# Altium PCB Board.PcbDoc (part 9 of 15) (continued)
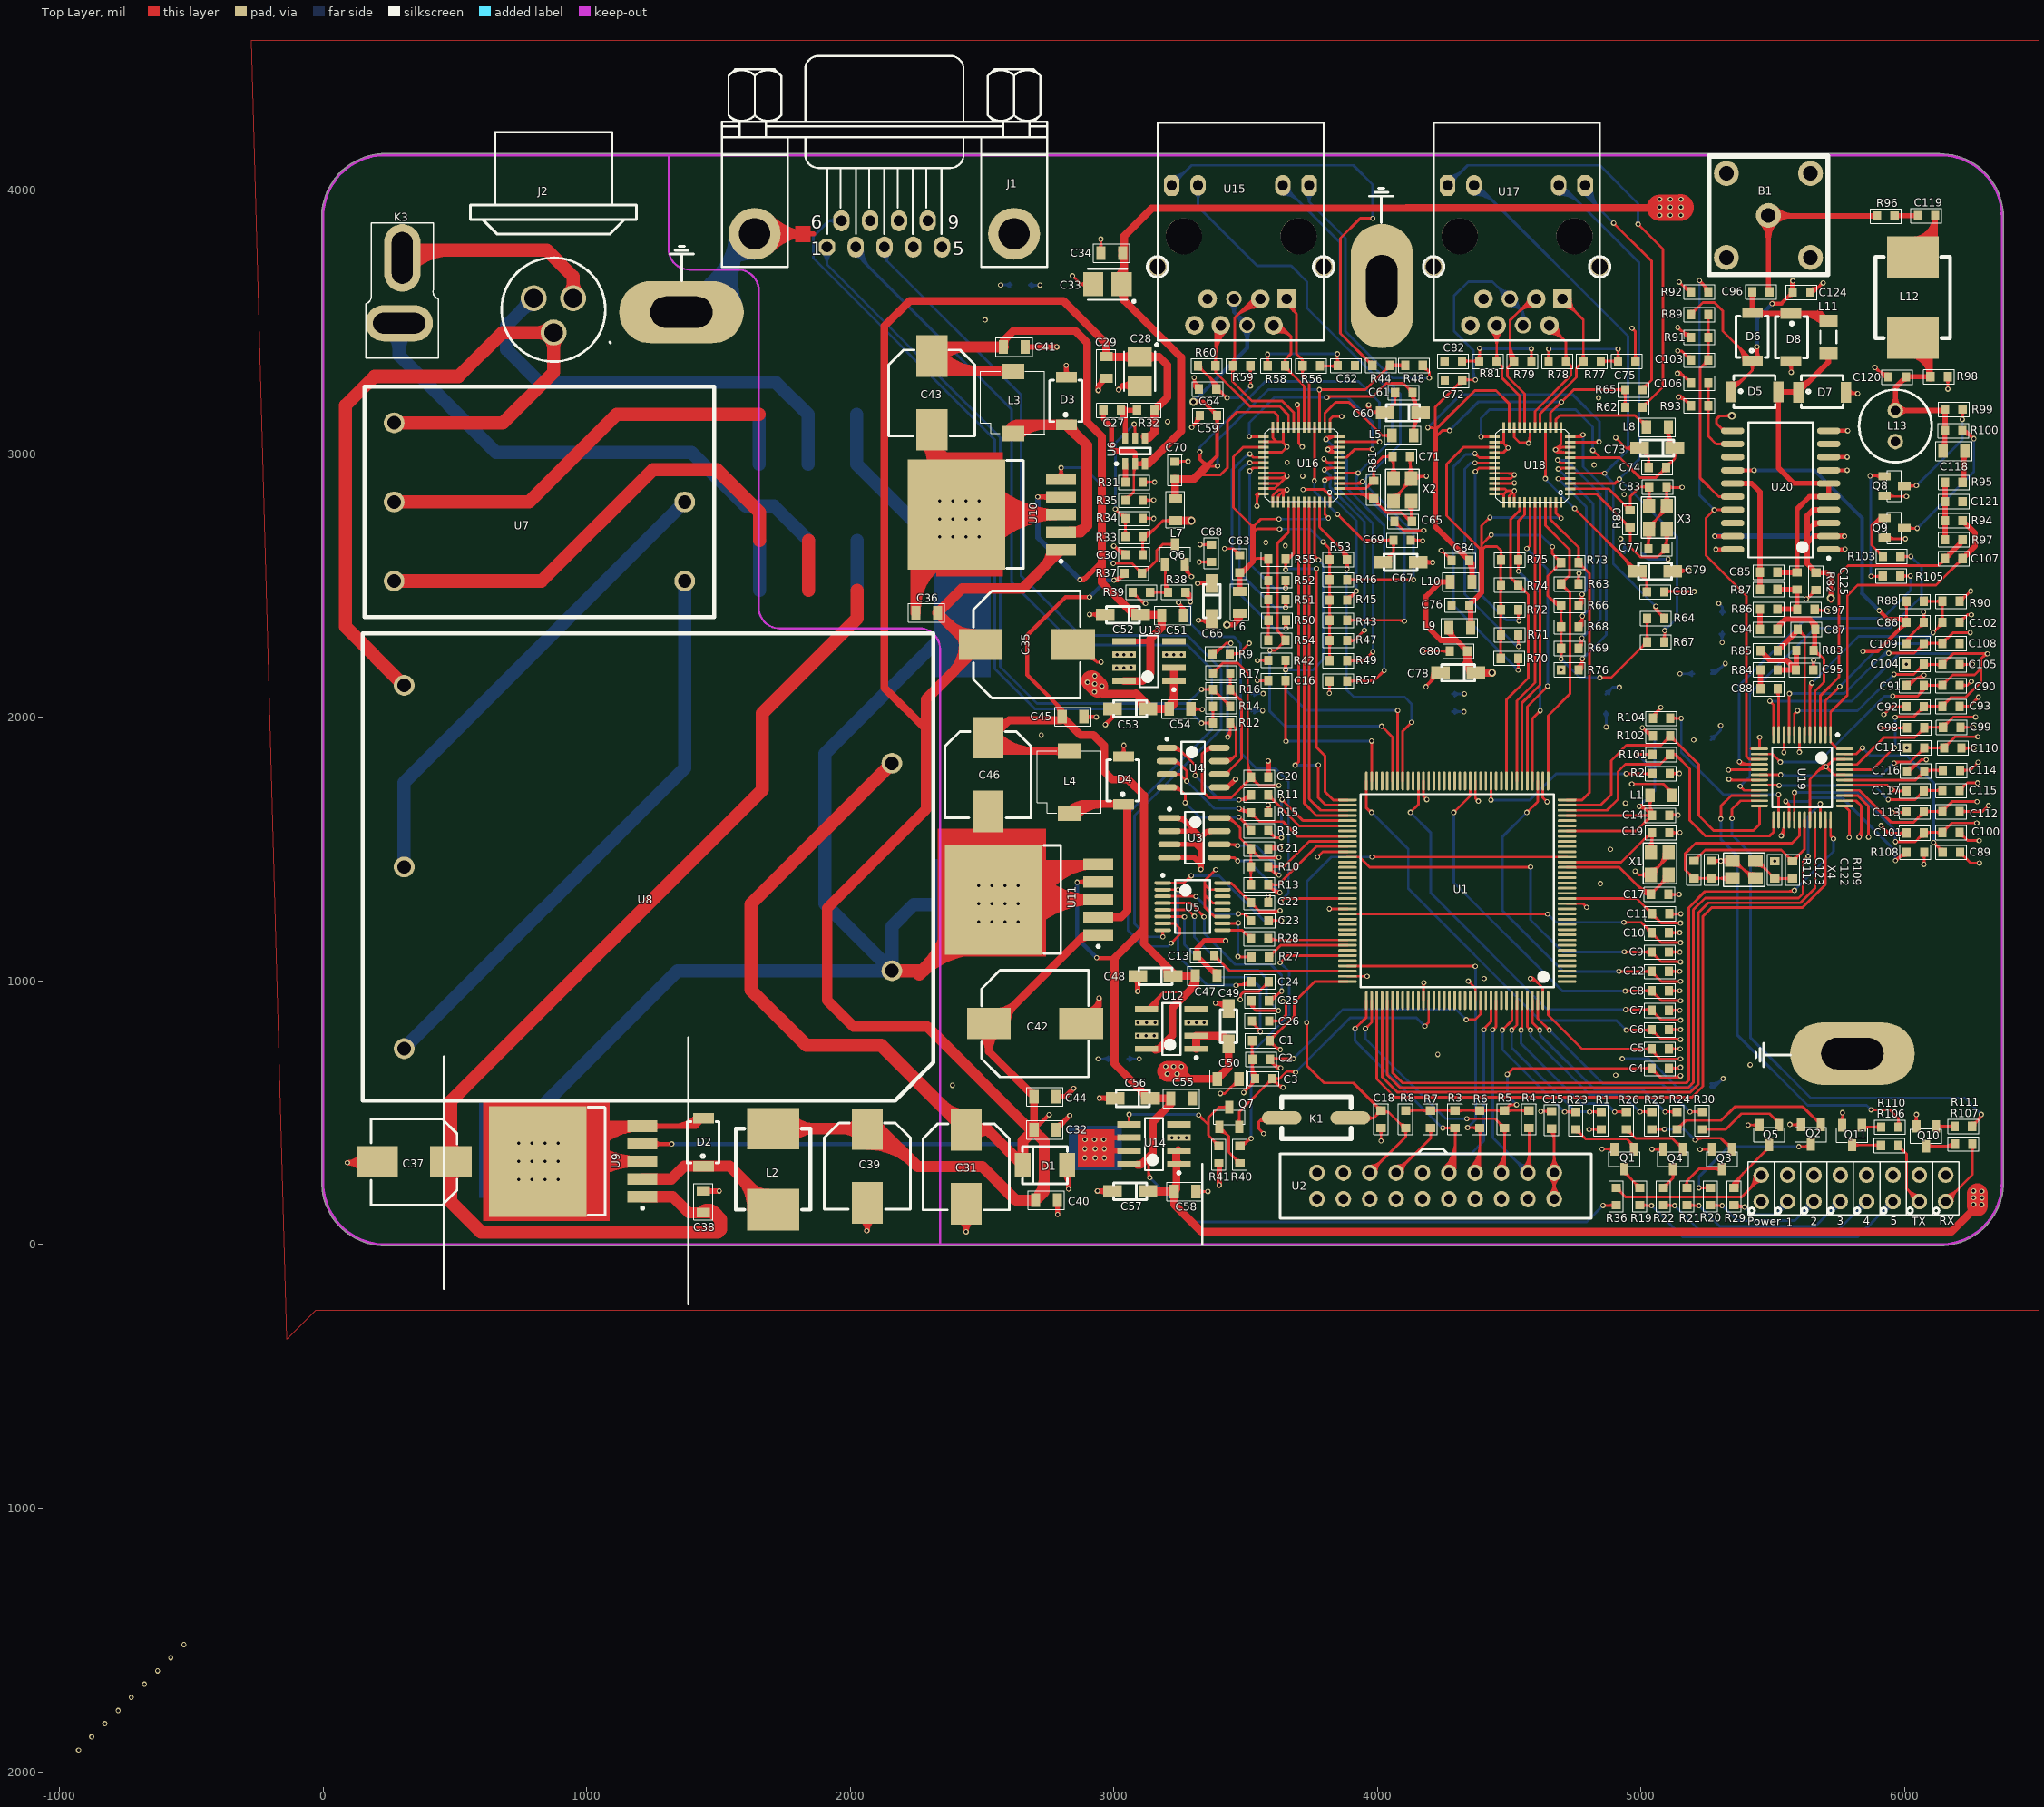
[diagram p0: Top Layer view]
## Nets (pads, with @x,y where several pads share a name; then routed paths per layer and width w, separated by ;. In a path a pad name is that pad's centre, name@x,y a point inside that pad or via, vN(x,y) a via of type N, cw(c..) or ccw(c..) an arc to the next point about the centre after c; other vN are vias at no path point) (continued)
NetR11_2: R11.2 U4.1 | length 1324.7
  Top Layer w10: U4.1@3201.19,1884.45 3242.6,1884.45 ; v1(3308.6,1779.45) 3308.6,1818.45 3242.6,1884.45 ; v1@3477.1,1691.78 ccw(c3483.13,1702.23) 3486.26,1690.57 ccw(c3489.38,1678.91) v1@3478.93,1684.95 ; R11.2@3518.25,1693.32 ccw(c3515.66,1672.88) 3501.1,1687.45 ; R11.2@3519.6,1705.95 3501.1,1687.45 ; U4.1@3228.75,1877.64 cw(c3228.75,1827.76) 3264.02,1863.03 ; U4.1@3228.75,1877.64 cw(c3228.75,1827.76) 3264.02,1863.03 ; U4.1@3228.75,1877.64 cw(c3228.75,1827.76) 3264.02,1863.03 ; U4.1@3228.75,1887.64 cw(c3228.75,1861.9) 3246.95,1880.1 ; U4.1@3228.75,1887.64 cw(c3228.75,1861.9) 3246.95,1880.1 ; U4.1@3228.75,1887.64 cw(c3228.75,1861.9) 3246.95,1880.1 ; U4.1@3234.14,1880.29 cw(c3242.6,1873.77) 3242.6,1884.45 ; U4.1@3234.14,1880.29 cw(c3242.6,1873.77) 3242.6,1884.45 ; U4.1@3234.14,1880.29 cw(c3242.6,1873.77) 3242.6,1884.45 ; U4.1@3234.14,1888.61 ccw(c3242.6,1895.12) 3242.6,1884.45 ; U4.1@3234.14,1888.61 ccw(c3242.6,1895.12) 3242.6,1884.45 ; U4.1@3234.14,1888.61 ccw(c3242.6,1895.12) 3242.6,1884.45 ; v1@3305.06,1782.98 ccw(c3296.53,1791.52) 3308.6,1791.52 ; v1@3305.06,1782.98 ccw(c3296.53,1791.52) 3308.6,1791.52 ; v1@3305.06,1782.98 ccw(c3296.53,1791.52) 3308.6,1791.52 ; 3308.6,1791.52 ccw(c3320.67,1791.52) v1@3312.13,1782.98 ; 3308.6,1791.52 ccw(c3320.67,1791.52) v1@3312.13,1782.98 ; 3308.6,1791.52 ccw(c3320.67,1791.52) v1@3312.13,1782.98 ; v1(3474.6,1687.45) ccw(c3474.6,1727.45) R11.2@3510.07,1708.95 ; v1(3474.6,1687.45) ccw(c3474.6,1727.45) R11.2@3510.07,1708.95 ; v1(3474.6,1687.45) ccw(c3474.6,1727.45) R11.2@3510.07,1708.95 ; v1(3474.6,1687.45) 3501.1,1687.45 ; v1@3478.13,1683.91 cw(c3486.67,1675.38) 3486.67,1687.45 ; v1@3478.13,1683.91 cw(c3486.67,1675.38) 3486.67,1687.45 ; v1@3478.13,1683.91 cw(c3486.67,1675.38) 3486.67,1687.45 ; v1@3478.13,1690.98 ccw(c3486.67,1699.52) 3486.67,1687.45 ; v1@3478.13,1690.98 ccw(c3486.67,1699.52) 3486.67,1687.45 ; v1@3478.13,1690.98 ccw(c3486.67,1699.52) 3486.67,1687.45 ; 3491.09,1687.45 ccw(c3491.09,1718.85) R11.2@3518.94,1704.33 ; 3491.09,1687.45 ccw(c3491.09,1718.85) R11.2@3518.94,1704.33 ; 3491.09,1687.45 ccw(c3491.09,1718.85) R11.2@3518.94,1704.33 ; 3502.64,1689 ccw(c3487.65,1703.98) R11.2@3508.85,1703.98 ; 3502.64,1689 ccw(c3487.65,1703.98) R11.2@3508.85,1703.98 ; 3502.64,1689 ccw(c3487.65,1703.98) R11.2@3508.85,1703.98 ; U4.1@3226.89,1887.04 cw(c3233.34,1878.03) 3241.18,1885.86 ccw(c3233.34,1878.03) U4.1@3226.89,1887.04 ; U4.1@3232.71,1878.91 cw(c3240.3,1868.3) 3249.52,1877.52 ccw(c3240.3,1868.3) U4.1@3232.71,1878.91 ; 3500.11,1686.47 cw(c3516.74,1669.83) 3518.7,1693.27 ccw(c3516.74,1669.83) 3500.11,1686.47
  Bottom Layer w10: v1(3308.6,1779.45) 3400.6,1687.45 v1(3474.6,1687.45) ; v1@3308.6,1774.45 cw(c3308.6,1762.38) 3317.13,1770.91 ; v1@3308.6,1774.45 cw(c3308.6,1762.38) 3317.13,1770.91 ; v1@3308.6,1774.45 cw(c3308.6,1762.38) 3317.13,1770.91 ; v1@3313.6,1779.45 ccw(c3325.67,1779.45) 3317.13,1770.91 ; v1@3313.6,1779.45 ccw(c3325.67,1779.45) 3317.13,1770.91 ; v1@3313.6,1779.45 ccw(c3325.67,1779.45) 3317.13,1770.91 ; 3462.53,1687.45 cw(c3462.53,1675.38) v1@3471.06,1683.91 ; 3462.53,1687.45 ccw(c3462.53,1699.52) v1@3471.06,1690.98 ; 3462.53,1687.45 cw(c3462.53,1675.38) v1@3471.06,1683.91 ; 3462.53,1687.45 ccw(c3462.53,1699.52) v1@3471.06,1690.98 ; 3462.53,1687.45 ccw(c3462.53,1699.52) v1@3471.06,1690.98 ; 3462.53,1687.45 cw(c3462.53,1675.38) v1@3471.06,1683.91
NetR13_2: R13.2 U1.82 U3.5 | length 1412.6
  Top Layer w10: U3.5@3399.57,1468.45 3456.6,1468.45 v1(3469.6,1455.45) ; v1(3629.6,1335.45) 3615.41,1335.45 R13.2@3585.75,1365.11 3623.26,1365.11 3767.92,1509.77 U1.82@3886.26,1509.77 ; U3.5@3435.89,1463.63 cw(c3447.51,1452.01) 3447.51,1468.45 ; U3.5@3435.89,1463.63 cw(c3447.51,1452.01) 3447.51,1468.45 ; U3.5@3435.89,1463.63 cw(c3447.51,1452.01) 3447.51,1468.45 ; U3.5@3435.89,1473.26 ccw(c3447.51,1484.89) 3447.51,1468.45 ; U3.5@3435.89,1473.26 ccw(c3447.51,1484.89) 3447.51,1468.45 ; U3.5@3435.89,1473.26 ccw(c3447.51,1484.89) 3447.51,1468.45 ; 3461.06,1463.98 cw(c3452.53,1455.45) v1@3464.6,1455.45 ; 3461.06,1463.98 ccw(c3469.6,1472.52) v1@3469.6,1460.45 ; 3461.06,1463.98 cw(c3452.53,1455.45) v1@3464.6,1455.45 ; 3461.06,1463.98 ccw(c3469.6,1472.52) v1@3469.6,1460.45 ; 3461.06,1463.98 ccw(c3469.6,1472.52) v1@3469.6,1460.45 ; 3461.06,1463.98 cw(c3452.53,1455.45) v1@3464.6,1455.45 ; R13.2@3585.75,1352.4 cw(c3585.75,1321.7) 3607.46,1343.4 ; R13.2@3585.75,1352.4 cw(c3585.75,1321.7) 3607.46,1343.4 ; R13.2@3585.75,1352.4 cw(c3585.75,1321.7) 3607.46,1343.4 ; R13.2@3593.35,1357.51 cw(c3611.7,1339.17) 3611.7,1365.11 ; R13.2@3593.35,1357.51 cw(c3611.7,1339.17) 3611.7,1365.11 ; R13.2@3593.35,1357.51 cw(c3611.7,1339.17) 3611.7,1365.11 ; R13.2@3593.35,1372.71 ccw(c3611.7,1391.06) 3611.7,1365.11 ; R13.2@3593.35,1372.71 ccw(c3611.7,1391.06) 3611.7,1365.11 ; R13.2@3593.35,1372.71 ccw(c3611.7,1391.06) 3611.7,1365.11 ; R13.2@3596.5,1363.14 ccw(c3617.69,1363.14) 3602.7,1348.16 ; R13.2@3596.5,1363.14 ccw(c3617.69,1363.14) 3602.7,1348.16 ; R13.2@3596.5,1363.14 ccw(c3617.69,1363.14) 3602.7,1348.16 ; R13.2@3596.85,1354.02 ccw(c3629.6,1386.77) v1@3629.6,1340.45 ; R13.2@3596.85,1354.02 ccw(c3629.6,1386.77) v1@3629.6,1340.45 ; R13.2@3596.85,1354.02 ccw(c3629.6,1386.77) v1@3629.6,1340.45 ; 3613.92,1336.94 ccw(c3629.6,1352.63) v1@3629.6,1330.45 ; 3613.92,1336.94 ccw(c3629.6,1352.63) v1@3629.6,1330.45 ; 3613.92,1336.94 ccw(c3629.6,1352.63) v1@3629.6,1330.45 ; 3617.53,1335.45 cw(c3617.53,1323.38) v1@3626.06,1331.91 ; 3617.53,1335.45 ccw(c3617.53,1347.52) v1@3626.06,1338.98 ; 3617.53,1335.45 cw(c3617.53,1323.38) v1@3626.06,1331.91 ; 3617.53,1335.45 ccw(c3617.53,1347.52) v1@3626.06,1338.98 ; 3617.53,1335.45 ccw(c3617.53,1347.52) v1@3626.06,1338.98 ; 3617.53,1335.45 cw(c3617.53,1323.38) v1@3626.06,1331.91
  Bottom Layer w10: v1(3469.6,1455.45) 3509.6,1455.45 v1(3629.6,1335.45) ; v1@3473.13,1451.91 cw(c3481.67,1443.38) 3481.67,1455.45 ; v1@3473.13,1451.91 cw(c3481.67,1443.38) 3481.67,1455.45 ; v1@3473.13,1451.91 cw(c3481.67,1443.38) 3481.67,1455.45 ; v1@3473.13,1458.98 ccw(c3481.67,1467.52) 3481.67,1455.45 ; v1@3473.13,1458.98 ccw(c3481.67,1467.52) 3481.67,1455.45 ; v1@3473.13,1458.98 ccw(c3481.67,1467.52) 3481.67,1455.45 ; 3621.06,1343.98 cw(c3612.53,1335.45) v1@3624.6,1335.45 ; 3621.06,1343.98 ccw(c3629.6,1352.52) v1@3629.6,1340.45 ; 3621.06,1343.98 cw(c3612.53,1335.45) v1@3624.6,1335.45 ; 3621.06,1343.98 ccw(c3629.6,1352.52) v1@3629.6,1340.45 ; 3621.06,1343.98 ccw(c3629.6,1352.52) v1@3629.6,1340.45 ; 3621.06,1343.98 cw(c3612.53,1335.45) v1@3624.6,1335.45
NetR15_2: R15.2 U1.80 U4.2 U4.3 | length 1822.3
  Top Layer w10: U4.3@3201.19,1784.45 3250.6,1784.45 v1(3276.6,1758.45) 3276.6,1797.45 3239.6,1834.45 U4.2@3201.19,1834.45 ; v1(3474.6,1654.45) 3482.6,1646.45 ; v1@3474.83,1649.45 cw(c3475.32,1639.17) 3482.6,1646.45 ; v1@3478.93,1656.95 ccw(c3506.11,1672.64) 3497.98,1642.33 ; v1@3479.36,1655.99 ccw(c3496.81,1661.63) 3492.06,1643.91 ; v1@3479.59,1654.21 ccw(c3489.88,1653.73) 3482.6,1646.45 ; U1.80@3886.26,1549.14 3696.91,1549.14 3641.6,1604.45 3553.05,1604.45 R15.2@3519.6,1637.9 3511.05,1646.45 3482.6,1646.45 ; U4.2@3228.75,1827.64 cw(c3228.75,1785) 3258.9,1815.15 ; U4.2@3228.75,1827.64 cw(c3228.75,1785) 3258.9,1815.15 ; U4.2@3228.75,1827.64 cw(c3228.75,1785) 3258.9,1815.15 ; U4.2@3228.75,1837.64 cw(c3228.75,1819.14) 3241.83,1832.22 ; U4.2@3228.75,1837.64 cw(c3228.75,1819.14) 3241.83,1832.22 ; U4.2@3228.75,1837.64 cw(c3228.75,1819.14) 3241.83,1832.22 ; U4.3@3233.56,1779.63 cw(c3245.19,1768.01) 3245.19,1784.45 ; U4.3@3233.56,1779.63 cw(c3245.19,1768.01) 3245.19,1784.45 ; U4.3@3233.56,1779.63 cw(c3245.19,1768.01) 3245.19,1784.45 ; U4.3@3233.56,1789.26 ccw(c3245.19,1800.89) 3245.19,1784.45 ; U4.3@3233.56,1789.26 ccw(c3245.19,1800.89) 3245.19,1784.45 ; U4.3@3233.56,1789.26 ccw(c3245.19,1800.89) 3245.19,1784.45 ; 3268.06,1766.98 cw(c3259.53,1758.45) v1@3271.6,1758.45 ; 3268.06,1766.98 ccw(c3276.6,1775.52) v1@3276.6,1763.45 ; 3268.06,1766.98 cw(c3259.53,1758.45) v1@3271.6,1758.45 ; 3268.06,1766.98 ccw(c3276.6,1775.52) v1@3276.6,1763.45 ; 3268.06,1766.98 ccw(c3276.6,1775.52) v1@3276.6,1763.45 ; 3268.06,1766.98 cw(c3259.53,1758.45) v1@3271.6,1758.45 ; v1@3273.06,1761.98 ccw(c3264.53,1770.52) 3276.6,1770.52 ; v1@3273.06,1761.98 ccw(c3264.53,1770.52) 3276.6,1770.52 ; v1@3273.06,1761.98 ccw(c3264.53,1770.52) 3276.6,1770.52 ; 3276.6,1770.52 ccw(c3288.67,1770.52) v1@3280.13,1761.98 ; 3276.6,1770.52 ccw(c3288.67,1770.52) v1@3280.13,1761.98 ; 3276.6,1770.52 ccw(c3288.67,1770.52) v1@3280.13,1761.98 ; v1@3471.06,1650.91 ccw(c3481.84,1661.69) 3481.84,1646.45 ; v1@3471.06,1650.91 ccw(c3481.84,1661.69) 3481.84,1646.45 ; v1@3471.06,1650.91 ccw(c3481.84,1661.69) 3481.84,1646.45 ; v1@3478.13,1657.98 ccw(c3505.98,1685.83) R15.2@3505.98,1646.45 ; v1@3478.13,1657.98 ccw(c3505.98,1685.83) R15.2@3505.98,1646.45 ; v1@3478.13,1657.98 ccw(c3505.98,1685.83) R15.2@3505.98,1646.45 ; 3482.6,1646.45 cw(c3482.6,1609.04) R15.2@3511.34,1632.99 ; 3482.6,1646.45 cw(c3482.6,1609.04) R15.2@3511.34,1632.99 ; 3482.6,1646.45 cw(c3482.6,1609.04) R15.2@3511.34,1632.99 ; R15.2@3503.95,1646.45 cw(c3503.95,1626.83) R15.2@3519.02,1639.39 ; R15.2@3503.95,1646.45 cw(c3503.95,1626.83) R15.2@3519.02,1639.39 ; R15.2@3503.95,1646.45 cw(c3503.95,1626.83) R15.2@3519.02,1639.39 ; R15.2@3519.6,1625.18 cw(c3519.6,1594.48) 3541.31,1616.19 ; R15.2@3519.6,1625.18 cw(c3519.6,1594.48) 3541.31,1616.19 ; R15.2@3519.6,1625.18 cw(c3519.6,1594.48) 3541.31,1616.19 ; R15.2@3530.35,1635.93 ccw(c3551.54,1635.93) 3536.55,1620.94 ; R15.2@3530.35,1635.93 ccw(c3551.54,1635.93) 3536.55,1620.94 ; R15.2@3530.35,1635.93 ccw(c3551.54,1635.93) 3536.55,1620.94
  Bottom Layer w10: v1(3276.6,1758.45) 3380.6,1654.45 v1(3474.6,1654.45) ; v1@3276.6,1753.45 cw(c3276.6,1741.38) 3285.13,1749.91 ; v1@3276.6,1753.45 cw(c3276.6,1741.38) 3285.13,1749.91 ; v1@3276.6,1753.45 cw(c3276.6,1741.38) 3285.13,1749.91 ; v1@3281.6,1758.45 ccw(c3293.67,1758.45) 3285.13,1749.91 ; v1@3281.6,1758.45 ccw(c3293.67,1758.45) 3285.13,1749.91 ; v1@3281.6,1758.45 ccw(c3293.67,1758.45) 3285.13,1749.91 ; 3462.53,1654.45 cw(c3462.53,1642.38) v1@3471.06,1650.91 ; 3462.53,1654.45 ccw(c3462.53,1666.52) v1@3471.06,1657.98 ; 3462.53,1654.45 cw(c3462.53,1642.38) v1@3471.06,1650.91 ; 3462.53,1654.45 ccw(c3462.53,1666.52) v1@3471.06,1657.98 ; 3462.53,1654.45 ccw(c3462.53,1666.52) v1@3471.06,1657.98 ; 3462.53,1654.45 cw(c3462.53,1642.38) v1@3471.06,1650.91
NetR16_2: R16.2 R17.2 U4.6 | length 873.5
  Top Layer w10: U4.6@3400.01,1784.45 3424.6,1784.45 3484.6,1844.45 3484.6,2061.95 R16.2@3441.6,2104.95 R17.2@3441.6,2168.2 ; R16.2@3434,2114.52 ccw(c3415.65,2132.87) 3441.6,2132.87 ; R16.2@3434,2114.52 ccw(c3415.65,2132.87) 3441.6,2132.87 ; R16.2@3434,2114.52 ccw(c3415.65,2132.87) 3441.6,2132.87 ; R17.2@3434,2158.63 cw(c3415.65,2140.28) 3441.6,2140.28 ; R17.2@3434,2158.63 cw(c3415.65,2140.28) 3441.6,2140.28 ; R17.2@3434,2158.63 cw(c3415.65,2140.28) 3441.6,2140.28 ; U4.6@3434.38,1784.45 cw(c3457.99,1784.45) 3441.29,1801.14 ; U4.6@3434.38,1784.45 cw(c3457.99,1784.45) 3441.29,1801.14 ; U4.6@3434.38,1784.45 cw(c3457.99,1784.45) 3441.29,1801.14 ; R16.2@3441.6,2092.23 cw(c3441.6,2061.53) 3463.31,2083.24 ; R16.2@3441.6,2092.23 cw(c3441.6,2061.53) 3463.31,2083.24 ; R16.2@3441.6,2092.23 cw(c3441.6,2061.53) 3463.31,2083.24 ; 3441.6,2132.87 ccw(c3467.55,2132.87) R16.2@3449.2,2114.52 ; 3441.6,2132.87 ccw(c3467.55,2132.87) R16.2@3449.2,2114.52 ; 3441.6,2132.87 ccw(c3467.55,2132.87) R16.2@3449.2,2114.52 ; 3441.6,2140.28 cw(c3467.55,2140.28) R17.2@3449.2,2158.63 ; 3441.6,2140.28 cw(c3467.55,2140.28) R17.2@3449.2,2158.63 ; 3441.6,2140.28 cw(c3467.55,2140.28) R17.2@3449.2,2158.63 ; R16.2@3452.35,2102.98 ccw(c3473.54,2102.98) 3458.55,2087.99 ; R16.2@3452.35,2102.98 ccw(c3473.54,2102.98) 3458.55,2087.99 ; R16.2@3452.35,2102.98 ccw(c3473.54,2102.98) 3458.55,2087.99
NetR18_1: R18.1 U1.77 | length 826.1
  Top Layer w10: R18.1@3585.6,1569.84 3611.99,1543.45 v1(3635.6,1543.45) ; v1(3637.6,1688.45) 3717.85,1608.2 U1.77@3886.26,1608.2 ; R18.1@3585.6,1557.12 cw(c3585.6,1526.42) 3607.31,1548.13 ; R18.1@3585.6,1557.12 cw(c3585.6,1526.42) 3607.31,1548.13 ; R18.1@3585.6,1557.12 cw(c3585.6,1526.42) 3607.31,1548.13 ; R18.1@3596.35,1567.87 ccw(c3617.54,1567.87) 3602.55,1552.88 ; R18.1@3596.35,1567.87 ccw(c3617.54,1567.87) 3602.55,1552.88 ; R18.1@3596.35,1567.87 ccw(c3617.54,1567.87) 3602.55,1552.88 ; 3623.53,1543.45 cw(c3623.53,1531.38) v1@3632.06,1539.91 ; 3623.53,1543.45 ccw(c3623.53,1555.52) v1@3632.06,1546.98 ; 3623.53,1543.45 cw(c3623.53,1531.38) v1@3632.06,1539.91 ; 3623.53,1543.45 ccw(c3623.53,1555.52) v1@3632.06,1546.98 ; 3623.53,1543.45 ccw(c3623.53,1555.52) v1@3632.06,1546.98 ; 3623.53,1543.45 cw(c3623.53,1531.38) v1@3632.06,1539.91 ; v1@3637.6,1683.45 cw(c3637.6,1671.38) 3646.13,1679.91 ; v1@3637.6,1683.45 cw(c3637.6,1671.38) 3646.13,1679.91 ; v1@3637.6,1683.45 cw(c3637.6,1671.38) 3646.13,1679.91 ; v1@3642.6,1688.45 ccw(c3654.67,1688.45) 3646.13,1679.91 ; v1@3642.6,1688.45 ccw(c3654.67,1688.45) 3646.13,1679.91 ; v1@3642.6,1688.45 ccw(c3654.67,1688.45) 3646.13,1679.91
  Bottom Layer w10: v1(3635.6,1543.45) 3635.6,1686.45 v1(3637.6,1688.45) ; v1@3632.06,1546.98 ccw(c3623.53,1555.52) 3635.6,1555.52 ; v1@3632.06,1546.98 ccw(c3623.53,1555.52) 3635.6,1555.52 ; v1@3632.06,1546.98 ccw(c3623.53,1555.52) 3635.6,1555.52 ; 3635.6,1555.52 ccw(c3647.67,1555.52) v1@3639.13,1546.98 ; 3635.6,1555.52 ccw(c3647.67,1555.52) v1@3639.13,1546.98 ; 3635.6,1555.52 ccw(c3647.67,1555.52) v1@3639.13,1546.98 ; 3635.6,1671.55 cw(c3654.5,1671.55) v1@3641.13,1684.91 ; 3635.6,1671.55 cw(c3654.5,1671.55) v1@3641.13,1684.91 ; 3635.6,1671.55 cw(c3654.5,1671.55) v1@3641.13,1684.91
NetR18_2: R18.2 U4.4 | length 1087.9
  Top Layer w10: U4.4@3201.19,1734.45 3243.6,1734.45 ; v1(3270.6,1676.45) 3270.6,1707.45 3243.6,1734.45 ; v1(3474.6,1621.45) 3519.6,1576.45 R18.2@3519.6,1569.84 ; U4.4@3228.75,1727.64 cw(c3228.75,1675.34) 3265.73,1712.32 ; U4.4@3228.75,1727.64 cw(c3228.75,1675.34) 3265.73,1712.32 ; U4.4@3228.75,1727.64 cw(c3228.75,1675.34) 3265.73,1712.32 ; U4.4@3228.75,1737.64 cw(c3228.75,1709.48) 3248.66,1729.39 ; U4.4@3228.75,1737.64 cw(c3228.75,1709.48) 3248.66,1729.39 ; U4.4@3228.75,1737.64 cw(c3228.75,1709.48) 3248.66,1729.39 ; U4.4@3233.91,1730.01 cw(c3243.6,1721.67) 3243.6,1734.45 ; U4.4@3233.91,1730.01 cw(c3243.6,1721.67) 3243.6,1734.45 ; U4.4@3233.91,1730.01 cw(c3243.6,1721.67) 3243.6,1734.45 ; U4.4@3233.91,1738.89 ccw(c3243.6,1747.23) 3243.6,1734.45 ; U4.4@3233.91,1738.89 ccw(c3243.6,1747.23) 3243.6,1734.45 ; U4.4@3233.91,1738.89 ccw(c3243.6,1747.23) 3243.6,1734.45 ; v1@3267.06,1679.98 ccw(c3258.53,1688.52) 3270.6,1688.52 ; v1@3267.06,1679.98 ccw(c3258.53,1688.52) 3270.6,1688.52 ; v1@3267.06,1679.98 ccw(c3258.53,1688.52) 3270.6,1688.52 ; 3270.6,1688.52 ccw(c3282.67,1688.52) v1@3274.13,1679.98 ; 3270.6,1688.52 ccw(c3282.67,1688.52) v1@3274.13,1679.98 ; 3270.6,1688.52 ccw(c3282.67,1688.52) v1@3274.13,1679.98 ; v1@3474.6,1616.45 cw(c3474.6,1604.38) 3483.13,1612.91 ; v1@3474.6,1616.45 cw(c3474.6,1604.38) 3483.13,1612.91 ; v1@3474.6,1616.45 cw(c3474.6,1604.38) 3483.13,1612.91 ; v1@3479.6,1621.45 ccw(c3491.67,1621.45) 3483.13,1612.91 ; v1@3479.6,1621.45 ccw(c3491.67,1621.45) 3483.13,1612.91 ; v1@3479.6,1621.45 ccw(c3491.67,1621.45) 3483.13,1612.91 ; 3497.97,1598.08 cw(c3471.7,1571.81) R18.2@3508.85,1571.81 ; 3497.97,1598.08 cw(c3471.7,1571.81) R18.2@3508.85,1571.81 ; 3497.97,1598.08 cw(c3471.7,1571.81) R18.2@3508.85,1571.81 ; R18.2@3509.17,1586.88 ccw(c3519.6,1597.3) R18.2@3519.6,1582.56 ; R18.2@3509.17,1586.88 ccw(c3519.6,1597.3) R18.2@3519.6,1582.56 ; R18.2@3509.17,1586.88 ccw(c3519.6,1597.3) R18.2@3519.6,1582.56 ; U4.4@3226.96,1737.09 cw(c3233.8,1726.96) 3242.45,1735.6 ccw(c3233.8,1726.96) U4.4@3226.96,1737.09 ; U4.4@3232.56,1728.8 cw(c3240.71,1716.71) 3251.02,1727.02 ccw(c3240.71,1716.71) U4.4@3232.56,1728.8
  Bottom Layer w10: v1(3270.6,1676.45) 3325.6,1621.45 v1(3474.6,1621.45) ; v1@3270.6,1671.45 cw(c3270.6,1659.38) 3279.13,1667.91 ; v1@3270.6,1671.45 cw(c3270.6,1659.38) 3279.13,1667.91 ; v1@3270.6,1671.45 cw(c3270.6,1659.38) 3279.13,1667.91 ; v1@3275.6,1676.45 ccw(c3287.67,1676.45) 3279.13,1667.91 ; v1@3275.6,1676.45 ccw(c3287.67,1676.45) 3279.13,1667.91 ; v1@3275.6,1676.45 ccw(c3287.67,1676.45) 3279.13,1667.91 ; 3462.53,1621.45 cw(c3462.53,1609.38) v1@3471.06,1617.91 ; 3462.53,1621.45 ccw(c3462.53,1633.52) v1@3471.06,1624.98 ; 3462.53,1621.45 cw(c3462.53,1609.38) v1@3471.06,1617.91 ; 3462.53,1621.45 ccw(c3462.53,1633.52) v1@3471.06,1624.98 ; 3462.53,1621.45 ccw(c3462.53,1633.52) v1@3471.06,1624.98 ; 3462.53,1621.45 cw(c3462.53,1609.38) v1@3471.06,1617.91
NetR23_2: R23.2 U1.137 | length 928
  Top Layer w10: v1(4473.6,813.45) 4509.29,849.14 U1.137@4509.29,926.11 ; v1(4709.6,503.45) R23.2@4752.6,503.45 ; v1@4473.6,818.45 ccw(c4473.6,830.52) 4482.13,821.98 ; v1@4473.6,818.45 ccw(c4473.6,830.52) 4482.13,821.98 ; v1@4473.6,818.45 ccw(c4473.6,830.52) 4482.13,821.98 ; v1@4478.6,813.45 cw(c4490.67,813.45) 4482.13,821.98 ; v1@4478.6,813.45 cw(c4490.67,813.45) 4482.13,821.98 ; v1@4478.6,813.45 cw(c4490.67,813.45) 4482.13,821.98 ; v1@4713.13,499.91 cw(c4721.67,491.38) 4721.67,503.45 ; v1@4713.13,499.91 cw(c4721.67,491.38) 4721.67,503.45 ; v1@4713.13,499.91 cw(c4721.67,491.38) 4721.67,503.45 ; v1@4713.13,506.98 ccw(c4721.67,515.52) 4721.67,503.45 ; v1@4713.13,506.98 ccw(c4721.67,515.52) 4721.67,503.45 ; v1@4713.13,506.98 ccw(c4721.67,515.52) 4721.67,503.45 ; 4724.68,503.45 cw(c4724.68,477.5) R23.2@4743.03,495.85 ; 4724.68,503.45 ccw(c4724.68,529.4) R23.2@4743.03,511.05 ; 4724.68,503.45 cw(c4724.68,477.5) R23.2@4743.03,495.85 ; 4724.68,503.45 ccw(c4724.68,529.4) R23.2@4743.03,511.05 ; 4724.68,503.45 ccw(c4724.68,529.4) R23.2@4743.03,511.05 ; 4724.68,503.45 cw(c4724.68,477.5) R23.2@4743.03,495.85
  Bottom Layer w10: v1(4473.6,813.45) 4473.6,739.45 v1(4709.6,503.45) ; v1@4470.06,809.91 cw(c4461.53,801.38) 4473.6,801.38 ; v1@4470.06,809.91 cw(c4461.53,801.38) 4473.6,801.38 ; v1@4470.06,809.91 cw(c4461.53,801.38) 4473.6,801.38 ; 4473.6,801.38 cw(c4485.67,801.38) v1@4477.13,809.91 ; 4473.6,801.38 cw(c4485.67,801.38) v1@4477.13,809.91 ; 4473.6,801.38 cw(c4485.67,801.38) v1@4477.13,809.91 ; 4701.06,511.98 cw(c4692.53,503.45) v1@4704.6,503.45 ; 4701.06,511.98 ccw(c4709.6,520.52) v1@4709.6,508.45 ; 4701.06,511.98 cw(c4692.53,503.45) v1@4704.6,503.45 ; 4701.06,511.98 ccw(c4709.6,520.52) v1@4709.6,508.45 ; 4701.06,511.98 ccw(c4709.6,520.52) v1@4709.6,508.45 ; 4701.06,511.98 cw(c4692.53,503.45) v1@4704.6,503.45
NetR24_2: R24.2 U1.141 | length 1133.3
  Top Layer w10: U1.141@4588.03,926.11 4588.03,841.42 v1(4616,813.45) ; v1(5090.6,503.45) R24.2@5136.6,503.45 ; 4607.46,821.98 cw(c4598.93,813.45) v1@4611,813.45 ; 4607.46,821.98 ccw(c4616,830.52) v1@4616,818.45 ; 4607.46,821.98 cw(c4598.93,813.45) v1@4611,813.45 ; 4607.46,821.98 ccw(c4616,830.52) v1@4616,818.45 ; 4607.46,821.98 ccw(c4616,830.52) v1@4616,818.45 ; 4607.46,821.98 cw(c4598.93,813.45) v1@4611,813.45 ; v1@5094.13,499.91 cw(c5102.67,491.38) 5102.67,503.45 ; v1@5094.13,499.91 cw(c5102.67,491.38) 5102.67,503.45 ; v1@5094.13,499.91 cw(c5102.67,491.38) 5102.67,503.45 ; v1@5094.13,506.98 ccw(c5102.67,515.52) 5102.67,503.45 ; v1@5094.13,506.98 ccw(c5102.67,515.52) 5102.67,503.45 ; v1@5094.13,506.98 ccw(c5102.67,515.52) 5102.67,503.45 ; 5108.68,503.45 cw(c5108.68,477.5) R24.2@5127.03,495.85 ; 5108.68,503.45 ccw(c5108.68,529.4) R24.2@5127.03,511.05 ; 5108.68,503.45 cw(c5108.68,477.5) R24.2@5127.03,495.85 ; 5108.68,503.45 ccw(c5108.68,529.4) R24.2@5127.03,511.05 ; 5108.68,503.45 ccw(c5108.68,529.4) R24.2@5127.03,511.05 ; 5108.68,503.45 cw(c5108.68,477.5) R24.2@5127.03,495.85
  Bottom Layer w10: v1(4616,813.45) 4616,796.05 4822.6,589.45 5004.6,589.45 v1(5090.6,503.45) ; v1@4612.46,809.91 cw(c4603.93,801.38) 4616,801.38 ; v1@4612.46,809.91 cw(c4603.93,801.38) 4616,801.38 ; v1@4612.46,809.91 cw(c4603.93,801.38) 4616,801.38 ; 4616,801.38 cw(c4628.07,801.38) v1@4619.53,809.91 ; 4616,801.38 cw(c4628.07,801.38) v1@4619.53,809.91 ; 4616,801.38 cw(c4628.07,801.38) v1@4619.53,809.91 ; 5082.06,511.98 cw(c5073.53,503.45) v1@5085.6,503.45 ; 5082.06,511.98 ccw(c5090.6,520.52) v1@5090.6,508.45 ; 5082.06,511.98 cw(c5073.53,503.45) v1@5085.6,503.45 ; 5082.06,511.98 ccw(c5090.6,520.52) v1@5090.6,508.45 ; 5082.06,511.98 ccw(c5090.6,520.52) v1@5090.6,508.45 ; 5082.06,511.98 cw(c5073.53,503.45) v1@5085.6,503.45
NetR25_2: R25.2 U1.140 | length 1068.3
  Top Layer w10: U1.140@4568.35,926.11 4568.35,825.5 v1(4580.4,813.45) ; v1(4995.6,503.45) R25.2@5040.6,503.45 ; 4571.86,821.98 cw(c4563.33,813.45) v1@4575.4,813.45 ; 4571.86,821.98 ccw(c4580.4,830.52) v1@4580.4,818.45 ; 4571.86,821.98 cw(c4563.33,813.45) v1@4575.4,813.45 ; 4571.86,821.98 ccw(c4580.4,830.52) v1@4580.4,818.45 ; 4571.86,821.98 ccw(c4580.4,830.52) v1@4580.4,818.45 ; 4571.86,821.98 cw(c4563.33,813.45) v1@4575.4,813.45 ; v1@4999.13,499.91 cw(c5007.67,491.38) 5007.67,503.45 ; v1@4999.13,499.91 cw(c5007.67,491.38) 5007.67,503.45 ; v1@4999.13,499.91 cw(c5007.67,491.38) 5007.67,503.45 ; v1@4999.13,506.98 ccw(c5007.67,515.52) 5007.67,503.45 ; v1@4999.13,506.98 ccw(c5007.67,515.52) 5007.67,503.45 ; v1@4999.13,506.98 ccw(c5007.67,515.52) 5007.67,503.45 ; 5012.68,503.45 cw(c5012.68,477.5) R25.2@5031.03,495.85 ; 5012.68,503.45 ccw(c5012.68,529.4) R25.2@5031.03,511.05 ; 5012.68,503.45 cw(c5012.68,477.5) R25.2@5031.03,495.85 ; 5012.68,503.45 ccw(c5012.68,529.4) R25.2@5031.03,511.05 ; 5012.68,503.45 ccw(c5012.68,529.4) R25.2@5031.03,511.05 ; 5012.68,503.45 cw(c5012.68,477.5) R25.2@5031.03,495.85
  Bottom Layer w10: v1(4580.4,813.45) 4580.4,792.65 4805.6,567.45 4931.6,567.45 v1(4995.6,503.45) ; v1@4576.86,809.91 cw(c4568.33,801.38) 4580.4,801.38 ; v1@4576.86,809.91 cw(c4568.33,801.38) 4580.4,801.38 ; v1@4576.86,809.91 cw(c4568.33,801.38) 4580.4,801.38 ; 4580.4,801.38 cw(c4592.47,801.38) v1@4583.93,809.91 ; 4580.4,801.38 cw(c4592.47,801.38) v1@4583.93,809.91 ; 4580.4,801.38 cw(c4592.47,801.38) v1@4583.93,809.91 ; 4987.06,511.98 cw(c4978.53,503.45) v1@4990.6,503.45 ; 4987.06,511.98 ccw(c4995.6,520.52) v1@4995.6,508.45 ; 4987.06,511.98 cw(c4978.53,503.45) v1@4990.6,503.45 ; 4987.06,511.98 ccw(c4995.6,520.52) v1@4995.6,508.45 ; 4987.06,511.98 ccw(c4995.6,520.52) v1@4995.6,508.45 ; 4987.06,511.98 cw(c4978.53,503.45) v1@4990.6,503.45
NetR26_2: R26.2 U1.139 | length 1004.5
  Top Layer w10: v1(4544.8,813.45) 4548.66,817.31 U1.139@4548.66,926.11 ; v1(4899.6,503.45) R26.2@4944.6,503.45 ; v1@4903.13,499.91 cw(c4911.67,491.38) 4911.67,503.45 ; v1@4903.13,499.91 cw(c4911.67,491.38) 4911.67,503.45 ; v1@4903.13,499.91 cw(c4911.67,491.38) 4911.67,503.45 ; v1@4903.13,506.98 ccw(c4911.67,515.52) 4911.67,503.45 ; v1@4903.13,506.98 ccw(c4911.67,515.52) 4911.67,503.45 ; v1@4903.13,506.98 ccw(c4911.67,515.52) 4911.67,503.45 ; 4916.68,503.45 cw(c4916.68,477.5) R26.2@4935.03,495.85 ; 4916.68,503.45 ccw(c4916.68,529.4) R26.2@4935.03,511.05 ; 4916.68,503.45 cw(c4916.68,477.5) R26.2@4935.03,495.85 ; 4916.68,503.45 ccw(c4916.68,529.4) R26.2@4935.03,511.05 ; 4916.68,503.45 ccw(c4916.68,529.4) R26.2@4935.03,511.05 ; 4916.68,503.45 cw(c4916.68,477.5) R26.2@4935.03,495.85 ; v1@4541.26,816.98 ccw(c4523.4,834.85) 4548.66,834.85 cw(c4523.4,834.85) v1@4541.26,816.98
  Bottom Layer w10: v1(4544.8,813.45) 4544.8,763.25 4773.6,534.45 4868.6,534.45 v1(4899.6,503.45) ; v1@4541.26,809.91 cw(c4532.73,801.38) 4544.8,801.38 ; v1@4541.26,809.91 cw(c4532.73,801.38) 4544.8,801.38 ; v1@4541.26,809.91 cw(c4532.73,801.38) 4544.8,801.38 ; 4544.8,801.38 cw(c4556.87,801.38) v1@4548.33,809.91 ; 4544.8,801.38 cw(c4556.87,801.38) v1@4548.33,809.91 ; 4544.8,801.38 cw(c4556.87,801.38) v1@4548.33,809.91 ; 4891.06,511.98 cw(c4882.53,503.45) v1@4894.6,503.45 ; 4891.06,511.98 ccw(c4899.6,520.52) v1@4899.6,508.45 ; 4891.06,511.98 cw(c4882.53,503.45) v1@4894.6,503.45 ; 4891.06,511.98 ccw(c4899.6,520.52) v1@4899.6,508.45 ; 4891.06,511.98 ccw(c4899.6,520.52) v1@4899.6,508.45 ; 4891.06,511.98 cw(c4882.53,503.45) v1@4894.6,503.45
NetR27_1: R27.1 U1.101 | length 438.3
  Top Layer w10: R27.1@3588.6,1091.45 3632.91,1135.76 U1.101@3886.26,1135.76 ; R27.1@3588.6,1104.17 ccw(c3588.6,1134.87) 3610.31,1113.16 ; R27.1@3588.6,1104.17 ccw(c3588.6,1134.87) 3610.31,1113.16 ; R27.1@3588.6,1104.17 ccw(c3588.6,1134.87) 3610.31,1113.16 ; R27.1@3599.35,1093.42 cw(c3620.54,1093.42) 3605.55,1108.4 ; R27.1@3599.35,1093.42 cw(c3620.54,1093.42) 3605.55,1108.4 ; R27.1@3599.35,1093.42 cw(c3620.54,1093.42) 3605.55,1108.4
NetR27_2: R27.2 U5.10 | length 547
  Top Layer w10: U5.10@3411.79,1218.47 3470.62,1218.47 v1(3472.6,1220.45) ; v1@3470.6,1091.45 R27.2@3522.6,1091.45 ; 3455.76,1218.47 ccw(c3455.76,1237.29) v1@3469.06,1223.98 ; 3455.76,1218.47 ccw(c3455.76,1237.29) v1@3469.06,1223.98 ; 3455.76,1218.47 ccw(c3455.76,1237.29) v1@3469.06,1223.98 ; v1@3474.13,1095.98 ccw(c3485.08,1106.93) 3485.08,1091.45 ; v1@3474.13,1095.98 ccw(c3485.08,1106.93) 3485.08,1091.45 ; v1@3474.13,1095.98 ccw(c3485.08,1106.93) 3485.08,1091.45 ; 3496.65,1091.45 cw(c3496.65,1065.5) R27.2@3515,1083.85 ; 3496.65,1091.45 ccw(c3496.65,1117.4) R27.2@3515,1099.05 ; 3496.65,1091.45 cw(c3496.65,1065.5) R27.2@3515,1083.85 ; 3496.65,1091.45 ccw(c3496.65,1117.4) R27.2@3515,1099.05 ; 3496.65,1091.45 ccw(c3496.65,1117.4) R27.2@3515,1099.05 ; 3496.65,1091.45 cw(c3496.65,1065.5) R27.2@3515,1083.85
  Bottom Layer w10: v1(3470.6,1092.45) 3470.6,1218.45 v1(3472.6,1220.45) ; v1@3467.06,1095.98 ccw(c3458.53,1104.52) 3470.6,1104.52 ; v1@3467.06,1095.98 ccw(c3458.53,1104.52) 3470.6,1104.52 ; v1@3467.06,1095.98 ccw(c3458.53,1104.52) 3470.6,1104.52 ; 3470.6,1104.52 ccw(c3482.67,1104.52) v1@3474.13,1095.98 ; 3470.6,1104.52 ccw(c3482.67,1104.52) v1@3474.13,1095.98 ; 3470.6,1104.52 ccw(c3482.67,1104.52) v1@3474.13,1095.98 ; 3470.6,1203.55 cw(c3489.5,1203.55) v1@3476.13,1216.91 ; 3470.6,1203.55 cw(c3489.5,1203.55) v1@3476.13,1216.91 ; 3470.6,1203.55 cw(c3489.5,1203.55) v1@3476.13,1216.91
NetR28_1: R28.1 U1.100 | length 435
  Top Layer w10: R28.1@3585.6,1160.45 3580.59,1155.44 U1.100@3886.26,1155.44 ; R28.1@3593.2,1150.88 cw(c3604.21,1139.87) 3604.21,1155.44 ; R28.1@3593.2,1150.88 cw(c3604.21,1139.87) 3604.21,1155.44 ; R28.1@3593.2,1150.88 cw(c3604.21,1139.87) 3604.21,1155.44 ; R28.1@3593.2,1166.08 ccw(c3618.88,1191.77) 3618.88,1155.44 ; R28.1@3593.2,1166.08 ccw(c3618.88,1191.77) 3618.88,1155.44 ; R28.1@3593.2,1166.08 ccw(c3618.88,1191.77) 3618.88,1155.44
NetR28_2: R28.2 U5.9 | length 243.5
  Top Layer w10: U5.9@3411.79,1192.88 3487.17,1192.88 R28.2@3519.6,1160.45 ; 3497.89,1182.16 ccw(c3519.6,1203.87) R28.2@3519.6,1173.17 ; 3497.89,1182.16 ccw(c3519.6,1203.87) R28.2@3519.6,1173.17 ; 3497.89,1182.16 ccw(c3519.6,1203.87) R28.2@3519.6,1173.17 ; 3502.64,1177.4 cw(c3487.65,1162.42) R28.2@3508.85,1162.42 ; 3502.64,1177.4 cw(c3487.65,1162.42) R28.2@3508.85,1162.42 ; 3502.64,1177.4 cw(c3487.65,1162.42) R28.2@3508.85,1162.42